# Allegro board gps_interface_boardv46ph.brd (continued)
## Nets (continued)
SFP_TD_P_SFP INTERFACE_SFP6: C255.2 J21.18 R226.2 R228.1
SPARE_BNC_CONN_0: IC2.2 P1.1 R109.1 TP79.1(TP)
SPARE_BNC_CONN_1: IC2.3 P1.3 R108.1 TP78.1(TP)
SPARE_LEMO_CONN_0: IC1.2 P1.5 R105.1 TP77.1(TP)
SPARE_LEMO_CONN_1: IC1.3 P1.7 R104.1 TP76.1(TP)
SPARE_RJ45_CM: C127.1 C128.1 C129.1 J17.P1 R116.1 R117.1 TP27.1(TP)
SQUELCH: R2687.1 U104.27
SS_2V5: C85.1 C2710.1 U12.13 U101.13
SS_3V3_1: C65.1 U9.13
SS_3V3_2: C76.1 U11.13
SS_5V: C57.1 U7.13
SYNC_OUT_N: R16.1 U3.6
SYNC_OUT_P: R15.1 U3.7
TEMP_ADDR: R253.1 U46.5 U46.6 U46.7
THRADJ: C2733.2 R2686.2 U104.9
VP2V5: R58.1 R2667.1 R2668.2 TP763.1(TP) U13.11
VP3V3: R52.2 R53.1 R54.1 U10.11
VP3V5: C49.1 C50.1 C51.1 C60.1 C61.1 C70.1 C71.1 C77.1 C78.1 C2650.1 C2660.1 L6.2 R41.1 TP11.1(TP) U6.1 U9.14 U9.15 U9.16 U9.17 U11.14 U11.15 U11.16 U11.17 U12.14 U12.15 U12.16 U12.17 U101.14 U101.15 U101.16 U101.17
VP5V: C54.1 C55.1 C56.1 C58.2 R45.1 R46.1 R2669.2 TP15.1(TP) U7.1 U7.19 U7.20 U8.11 U8.12(VDD)
VP5V5: C52.1 C53.1 C88.1 TP760.1(TP) U7.14 U7.15 U7.16 U7.17 U100.F3 U100.F4 U100.F5 U100.G3 U100.G4 U100.G5 U100.H3 U100.H4 U100.H5(VOUT_8)
VP12V: C40.1 C42.1 C43.1 C44.1 C87.1 FL1.2 TP9.1(TP) U6.4 U6.5 U6.6 U6.21 U6.22 U6.23(VIN6) U6.25 U100.A1 U100.A4 U100.A5 U100.B4 U100.B5
VREF: C2734.1 U104.3(VREF)
N00534: C1.1 R2.2 R4.1
N00638: C3.1 U1.4
N01450: C2732.1 U104.14
N01454: C2732.2 U104.15
N01590: R9.1 U1.7
N02604: C5.1 R10.2 R265.2 R266.1 U47.1
N02878: R10.1 U47.5
N89867: R21.2 U48.25
N89871: R20.2 U48.4
N89889: R22.2 U48.3
N89893: R19.2 U48.48
N89897: R19.1 R20.1 R21.1 R22.1
N90109: R26.2 U48.19
N90113: R25.2 U48.17
N90529: R23.2 U48.11
N91101: C36.1 U48.59
N91105: C37.1 U48.58
N107878: R24.2 U48.39
N127138: C1.2 U1.3
N140138: C2711.1 L6.1 U6.12 U6.13 U6.14 U6.15 U6.16
N146225: C62.1 C63.1 C64.1 R52.1 TP17.1(TP) U9.1 U9.2(SNS) U9.19 U9.20
N146320: R63.1 U9.6
N146332: R65.1 U9.11
N146446: R64.1 U9.10
N179430: C34.1 U48.51
N179442: C35.1 U48.50
N180853: C34.2 J100.3(SIG)
N180901: C35.2 J101.3(SIG)
N185241: C72.1 C73.1 C75.1 R54.2 U11.1 U11.2(SNS) U11.19 U11.20
N222361: D42.1(K) R2689.1 R2691.1
N222457: D43.2 R2689.2 U106.4(Y)
N222469: D43.1(CATHODE) R2690.1
N224400: J18.2 R166.2 U32.1 U53.16
N224404: J18.8 R167.2 U32.2 U53.15
N224432: J19.2 R187.2 U36.1 U53.20
N224436: J19.8 R188.2 U36.2 U53.19
N224464: J20.2 R208.2 U40.1 U52.7
N224468: J20.8 R209.2 U40.2 U52.6
N224492: J21.2 R229.2 U44.1 U52.11
N224496: J21.8 R230.2 U44.2 U52.10
N245271: D5.2 Q4.2(S)
N245311: D5.1(K) R51.1
N245859: D4.2 Q3.2(S)
N245899: D4.1(K) R44.1
N246142: D6.2 Q5.2(S)
N246182: D6.1(K) R57.1
N266416: J14.2 R145.2 U28.1 U53.11
N266420: J14.8 R146.2 U28.2 U53.10
N279924: C79.1 C80.1 C83.1 R2668.1 U12.1 U12.2(SNS) U12.19 U12.20
N280018: D7.2 Q6.2(S)
N280022: D7.1(K) R62.1
N304882: C17.1 U6.2
N322365: R70.1 U9.5
N322369: R112.1 U9.7
N322373: R113.1 U9.9
N323562: R114.1 U11.5
N323566: R115.1 U11.6
N323570: R118.1 U11.7
N323574: R255.1 U11.9
N323578: R256.1 U11.10
N323582: R257.1 U11.11
N325169: R259.1 U12.6
N325173: R260.1 U12.7
N325177: R261.1 U12.9
N325181: R262.1 U12.10
N325185: R263.1 U12.11
N325191: R258.1 U12.5
N339027: D2.2 Q1.2(S) R32.1
N339674: D1.1(CATHODE) R32.2 R33.1
N339693: D2.1(K) R34.1
N350589: J15.1 R110.1
N350593: J16.1 R111.1
N351209: J13.2 R124.2 U24.1 U53.7
N351234: J13.8 R125.2 U24.2 U53.6
N352210: J11.1 R106.1
N352214: J12.1 R107.1
N361011: J30.8 R2677.2 U53.4 U105.2
N361478: J30.2 R2676.2 U53.5 U105.1
N361490: U53.9 U104.16 U106.1
N361502: U53.8 U104.22 U106.2
N437368: J17.P6 J17.P7 J17.P8 J17.P9 R254.2
N437754: J17.P12 R43.2
N437768: J17.P13 R39.2
N575036: R93.1 U19.1
N575058: R94.1 U19.2
N575080: R95.1 U19.21
N576735: R81.1 U17.8
N576751: R82.1 U18.8
N635255: D8.2 Q7.2(S)
N635295: D8.1(K) R37.1
N637994: D15.2 Q12.2(S)
N638034: D15.1(CATHODE) R80.1
N638123: Q12.1 U15.4
N638285: R78.2 R79.1 U15.3
N638693: D14.2 Q11.2(S)
N638733: D14.1(K) R74.1
N665913: C123.2 R254.1
N716600: U107.2(VT) U107.3
N717829: C2748.1 U107.10
N717833: C2747.1 U107.9
N727253: C2749.1 C2750.1 L22.1 QZ1.1 QZ1.6(VDD)
N755053: C276.1 Y1.3
N755062: C277.1 Y1.2
N755111: C276.2 R1540.1 U48.8
N755152: C277.2 R1540.2 U48.9(XB)
N755804: R2670.1 Y1.6
N755834: R1550.2 Y1.5
N755912: L19.1 R1550.1 R2670.2 Y1.1(VDD)
N804236: R2640.1 U100.B1
N804492: R2650.1 U100.A2
N808323: C2670.1 C2680.1 C2690.1 R2667.2 U101.1 U101.2(SNS) U101.19 U101.20
N808573: R2661.1 U101.5
N808577: R2662.1 U101.6
N808581: R2663.1 U101.7
N808585: R2664.1 U101.9
N808589: R2665.1 U101.10
N808593: R2666.1 U101.11
N811210: C2711.2 U6.11
N812156: R2669.1 U7.2(SNS)

Pads without a net: J8 C8 C19 C22 C23 D29 D30 D31 D33 D35 G28 G33 G34 H1 H2; QZ1 2; U2 4 5 8; U3 4 5 8; U6 27 28 29; U7 5 6 7 9 10 11 12; U8 9; U9 12; U10 2 9; U11 12; U12 12; U13 9; U15 5; U17 6 9; U22 13 16; U26 13 16; U30 13 16; U34 13 16; U38 13 16; U42 13 16; U47 6; U48 5 7 10 20 21 53 54 55 56; U49 7; U52 4 5 8 9 19; U53 13 14 17 18; U101 12; U102 2 3 7

## Via types
v1: diameter 0.914, hole 0.406, TOP to BOTTOM, 1360 vias

## Routing (per net, layer and track width the routed paths; a pad name or vN(x,y) marks a point on that pad's centre or on a via; arc(x,y) is an arc through that point)
12V_FANS: length 19.8
  TOP w0.508: F2.2 15.11,2.95 15.11,3.58 17.2,5.66 17.2,6.81 J28.2
  BOTTOM w0.17: C3715.1 C3712.1 ; C3714.1 C3713.1
  BOTTOM w0.635: C3713.1 11.5,10.31 13.64,10.31 J28.2 ; J27.2 5.89,127.23 C3712.1
  vias: v1(6.45,42.44)
GND_POWER: length 615
  TOP w0.165: R2640.2 v1(6.12,15.37) ; 13.39,43.03 13.38,43.03 U6.9 ; v1(135.25,62.59) 135.19,62.65 R2688.2 ; U100.D3 v1(8.62,22.88) ; C2733.1 v1(132.77,74.32) ; 13.87,48.11 13.88,48.09 U6.17 ; U100.D5 v1(8.62,25.42) ; 12.88,48.16 12.88,48.15 U6.19 ; U11.8 44.22,87.17 ; C2745.2 v1(135.13,95.45) ; R26.1 v1(112.01,72.16) ; U6.24 10.38,46.52 v1(10.09,46.23) ; C2744.2 v1(140.97,87.55) ; U6.20 12.38,47.94 12.57,48.13 ; U7.8 12.83,72.24 ; C2743.2 v1(140.97,95.45) ; U9.8 v1(44.25,69.85) ; 10.21,42.65 10.38,42.82 U6.3 ; U107.7 135.73,91.27 v1(135.48,91.52) 135.73,91.77 U107.6 ; C2723.1 C2728.2 v1(142.95,66.57) ; U9.18 44.25,67.56 ; C2730.2 C2725.1 v1(130.05,68.33) ; C2734.2 v1(139.65,75.2) ; C2741.1 v1(133.63,95.45) ; v1(136.29,74.11) 135.79,73.61 U104.8 ; v1(136.29,74.11) U104.7 ; v1(136.29,74.11) 136.79,73.61 U104.6 ; 13.39,48.11 13.38,48.11 U6.18 ; U6.10 13.88,43.01 13.89,43 ; C2729.2 C2724.1 133.6,65.07 v1(132.99,64.47) ; U100.E4 v1(10.99,24.15) ; U6.8 12.88,42.63 12.88,42.62 ; U100.G2 v1(13.53,20.51) ; v1(103.38,75.31) 103.48,75.41 C15.1 ; v1(138.96,66.47) 138.96,66.78 138.79,66.95 U104.23 ; R23.1 v1(103.1,78.97) ; C14.1 v1(104.65,75.39) ; R2686.1 v1(133.73,74.02) ; U100.F1 v1(12.26,19.24) ; R44.2 v1(15.19,31.37) ; U100.D4 v1(8.62,24.15) ; U107.15 140.36,91.77 v1(140.61,91.52) 140.36,91.27 U107.14 ; U104.13 137.29,70.06 v1(137.54,70.31) 136.79,71.06 U104.11 ; U100.E3 v1(10.99,22.88) ; v1(110.49,72.19) R25.1 ; C2739.1 v1(142.49,95.45) ; R2650.2 v1(2.84,18.36) ; v1(146.91,74.73) C2726.1 C2722.1 C2731.2 C2727.2 ; U100.D2 v1(8.62,20.51) ; U100.C2 v1(7.35,20.51) ; C2742.1 v1(133.63,87.53) ; R2687.2 v1(145.06,69.14) ; U12.18 44.27,49.56 ; U100.E5 v1(10.99,25.42) ; C2740.1 v1(142.49,87.55) ; U7.18 12.83,67.49 ; U100.H1 v1(14.8,19.24) ; U100.G1 v1(13.53,19.24) ; U105.3 v1(120.74,121.93) ; R17.2 v1(20.67,127.8) ; U100.H2 v1(14.8,20.51) ; U100.F2 v1(12.26,20.51) ; U12.8 44.27,54.31 ; U100.D1 v1(8.62,19.24) ; 12.62,42.62 12.38,42.86 U6.7 ; 136.25,8.76 C100.2 ; U100.C1 v1(7.35,19.24) ; U100.E1 v1(10.99,19.24) ; R18.2 v1(12.87,127.6) ; U100.E2 v1(10.99,20.51) ; C2746.2 v1(135.13,87.55)
  TOP w0.17: U26.9 261.94,83.37 v1(262.18,83.13) ; v1(210.67,83.13) 210.43,83.37 U34.9 ; v1(284.53,88.72) 283.63,87.82 R128.1 ; U38.9 188.13,83.37 v1(188.37,83.13) ; R189.2 v1(214.05,80.14) ; R165.2 v1(243.26,87.27) ; R126.2 v1(287.63,80.04) ; R149.1 261.56,87.92 v1(262.46,88.82) ; U22.9 284.01,83.27 v1(284.25,83.03) ; 265.56,86.45 v1(265.56,87.27) ; v1(210.95,88.82) 210.05,87.92 R191.1 ; R233.1 165.62,87.92 v1(166.52,88.82) ; v1(239.88,83.13) 239.64,83.37 U30.9 ; R147.2 v1(265.56,80.14) ; v1(240.16,88.82) 239.26,87.92 R170.1 ; R168.2 v1(243.26,80.14) ; R123.2 v1(287.63,87.17) ; R207.2 v1(191.74,87.27) ; R231.2 v1(169.62,80.14) ; R210.2 v1(191.74,80.14) ; U42.9 166,83.37 v1(166.24,83.13) ; 94.46,95.96 v1(96.32,95.96) ; R228.2 v1(169.62,87.27) ; R212.1 187.74,87.92 v1(188.65,88.82) ; R186.2 v1(214.05,87.27)
  TOP w0.203: R250.2 v1(208.69,10.69) ; J21.9 163.65,118.95 v1(163.25,118.54) ; v1(213.13,114) 212.47,113.34 J19.17 ; J21.1 v1(170.81,120.28) ; U18.9 107.74,35.73 v1(108.18,36.17) ; v1(281.28,118.59) 281.68,119 J13.9 ; v1(164.88,114) 164.92,114 165.65,113.27 J21.14 ; J30.14 136.41,113.27 135.69,114 v1(135.65,114) ; R109.2 v1(287.82,15.86) ; v1(24.66,59.49) 25.03,59.85 U8.4 ; v1(77.19,-15.82) 77.69,-15.82 77.91,-16.05 R72.1 ; v1(236.91,118.54) 237.31,118.95 J18.9 ; v1(110.72,36.55) 111.33,35.94 U17.7 ; v1(211.96,12.5) 212.4,12.94 R248.2 ; v1(57.51,41.38) 56.97,41.91 U13.5 ; R79.2 v1(84.84,6.07) ; R108.2 v1(292.37,15.86) ; v1(134.01,118.54) 134.41,118.95 J30.9 ; U8.5 25.53,59.84 v1(25.9,59.47) ; J18.10 v1(235.76,120.28) ; J14.11 v1(258.42,112.08) ; U6.30 8.35,45.32 8.05,45.62 ; J14.20 v1(267.16,112.08) ; J20.17 190.17,113.34 v1(190.83,114) ; J18.20 v1(244.86,112.08) ; v1(264.67,114) 264.01,113.34 J14.17 ; v1(259.21,118.54) 259.61,118.95 J14.9 ; U19.12 90.74,106.74 v1(90.25,106.25) ; R268.2 v1(15.61,137.08) ; J14.1 v1(266.78,120.28) ; v1(15.46,85.04) U46.4 v1(13.64,86.61) ; J18.1 v1(244.47,120.28) ; v1(62.12,137.03) 62.63,136.52 U47.3 ; v1(286.74,114.05) 286.08,113.39 J13.17 ; R9.2 v1(75.18,132.6) ; J20.1 v1(192.94,120.28) ; 104.47,75.56 v1(104.65,75.39) ; J13.11 v1(280.49,112.13) ; R73.1 v1(77.34,-12.73) ; v1(282.92,114.05) 282.96,114.05 283.68,113.32 J13.14 ; C101.2 129.25,9.38 v1(130.18,10.3) ; v1(168.71,114) 168.05,113.34 J21.17 ; J30.10 v1(132.87,120.28) ; v1(238.54,114) 238.58,114 239.31,113.27 J18.14 ; v1(242.37,114) 241.71,113.34 J18.17 ; J19.14 210.07,113.27 209.35,114 v1(209.31,114) ; J20.14 187.77,113.27 187.05,114 v1(187.01,114) ; R1.2 v1(83.85,129.72) ; J14.10 v1(258.06,120.28) ; v1(137.79,10.3) 136.25,8.76 ; J18.11 v1(236.12,112.08) ; R249.2 v1(225.35,10.62) ; R104.2 v1(285.38,15.91) ; J30.1 v1(141.58,120.28) ; 289.48,106.26 290.19,106.26 v1(291.45,106.26) ; J30.17 138.81,113.34 v1(139.47,114) ; R105.2 v1(280.78,15.86) ; v1(78.59,135.33) 79.34,134.58 U1.5 ; U2.2 42.55,134.41 v1(42.91,134.77) ; J20.20 v1(193.32,112.08) ; J19.9 208.07,118.95 v1(207.67,118.54) ; R13.2 v1(46.05,127.52) ; U49.4 v1(83.91,-19.35) ; J30.11 v1(133.22,112.08) ; J21.10 v1(162.1,120.28) ; J21.11 v1(162.46,112.08) ; v1(260.85,114) 260.88,114 261.61,113.27 J14.14 ; v1(66.67,68.35) U10.5 U10.4 66.34,67.85 v1(66.7,67.49) ; J19.11 v1(206.88,112.08) ; J13.20 v1(289.23,112.13) ; J30.20 v1(141.96,112.08) ; R49.1 v1(22.61,59.26) ; U3.2 17.17,134.49 v1(17.48,134.8) ; U53.12 v1(221.82,19.89) ; R14.2 v1(38.2,127.55) ; R71.1 v1(77.47,-19.66) ; R264.2 v1(68.21,137.92) ; U15.2 v1(88.49,4.55) ; R267.2 v1(40.09,136.02) ; J20.10 v1(184.23,120.28) ; J13.10 v1(280.14,120.33) ; J20.9 185.77,118.95 v1(185.37,118.54) ; J19.10 v1(206.53,120.28) ; J19.20 v1(215.62,112.08) ; U13.4 v1(56.47,41.35) ; J13.1 v1(288.85,120.33) ; J20.11 v1(184.58,112.08) ; R253.2 v1(24.88,88.1) ; J19.1 v1(215.24,120.28) ; U52.12 v1(205.59,19.79) ; J21.20 v1(171.2,112.08)
  TOP w0.254: v1(141.38,71.37) 141.06,71.06 U104.30
  TOP w0.305: IC2.4 291.33,22.73 291.35,22.71 v1(291.85,22.71) ; R43.1 v1(233.04,9.86) ; v1(60.7,133.63) 61.44,134.37 U47.4 ; C106.2 v1(126.06,27.71) ; v1(125.22,18.97) 125.6,19.35 C105.2 ; v1(123.65,21.64) 124.33,22.33 C107.2 ; R39.1 v1(266.57,17.14) ; IC1.4 v1(285.34,22.76)
  TOP w0.33: C110.1 v1(102.06,27.08) ; C111.2 v1(116.92,27.43) ; C2749.2 v1(182.55,23.88) ; C109.1 v1(116.99,36.42) ; C2750.2 v1(182.55,25.53) ; QZ1.3 v1(180.37,23.09)
  BOTTOM w0.165: R259.2 v1(45.8,57.81) ; v1(3.47,48.32) 4.42,48.32 4.47,48.38 R36.2 ; C3715.2 C3712.2 ; R256.2 v1(42.7,90.98) ; R261.2 v1(43.76,57.78) ; R115.2 v1(45.75,90.98) ; C27.1 113.51,71.93 ; C29.2 129.09,74.07 129.11,74.09 v1(129.59,74.09) ; R263.2 v1(38.2,52.88) ; R255.2 v1(43.71,90.98) ; C129.2 v1(236.45,17.02) ; v1(119.74,87.55) 119.14,86.96 C23.1 ; C22.2 125.6,79.07 v1(125.43,79.07) ; v1(49.63,85.62) 49.53,85.72 R114.2 ; R258.2 v1(49.94,52.83) ; R117.2 v1(241.07,20.55) ; R65.2 v1(38.66,70.87) ; U24.3 v1(278.87,81.56) ; C127.2 v1(238.1,17.02) ; C25.1 117.02,71.93 ; C3714.2 C3713.2 ; U36.3 v1(205.28,81.66) ; R63.2 v1(45.75,75.41) ; R257.2 v1(38.61,85.7) ; R70.2 v1(49.76,70.84) ; R64.2 v1(42.75,75.39) ; R262.2 v1(42.75,57.81) ; C19.1 118.52,71.93 ; C128.2 v1(239.67,17.02) ; R112.2 v1(44.75,75.41) ; U32.3 v1(234.49,81.66) ; R260.2 v1(44.78,57.81) ; U40.3 v1(182.98,81.66) ; R113.2 v1(43.76,75.39) ; C136.1 v1(287.38,116.03) ; R118.2 v1(44.73,90.96)
  BOTTOM w0.203: C229.1 v1(197.16,105.23) ; C137.1 293.05,104.64 v1(292.56,105.13) ; C2717.1 129.68,104.08 v1(130.48,104.88) ; 255.78,80.29 255.78,80.8 255.79,80.81 U28.3 ; U44.3 159.85,80.81 159.84,80.8 159.84,80.29 ; v1(248.11,105.11) 248.68,104.54 C183.1 ; R238.2 v1(162.41,76.33) ; R74.2 v1(86.01,18.03) ; R62.2 v1(56.88,61.76) ; v1(218.29,98.5) 218.29,99.16 218.23,99.22 218.23,100.26 C201.2 ; 208.38,116.94 v1(208.38,115.82) ; R133.2 v1(276.28,74.98) ; R174.2 v1(232.04,106.79) ; C58.1 v1(28.04,64.85) ; 213.87,116.97 v1(213.87,115.82) ; R153.2 v1(254.34,106.74) ; C84.1 v1(59.69,45.9) ; C225.2 195.43,99.7 v1(195.78,99.34) ; R4.2 v1(83.87,137.59) ; 259.92,116.94 v1(259.92,115.82) ; C248.2 173.3,99.62 v1(173.61,99.31) ; v1(181.58,105.05) 181.04,104.51 C226.1 ; C17.2 v1(10.03,37.31) ; C203.1 v1(203.34,104.93) ; C74.2 v1(66.29,64.92) ; C160.1 v1(270.98,105.23) ; v1(54.79,41.07) 54.05,41.81 C86.2 ; R132.2 v1(276.41,106.64) ; C178.2 v1(234.37,99.19) ; C206.1 v1(219.47,105.21) ; 237.62,116.94 v1(237.62,115.82) ; C157.1 v1(254.85,104.95) ; v1(144.37,99.31) 144.07,99.62 C2713.2 ; C180.1 v1(232.55,104.98) ; C2714.1 v1(134.72,115.82) ; v1(21.06,59.31) 21.06,59.92 21.84,60.7 C59.2 ; C132.2 291.31,100.08 v1(292.02,99.36) ; R80.2 92,15.58 v1(92,14.99) ; C247.2 v1(160.73,99.19) ; R94.2 v1(87.71,113.72) ; C271.1 v1(201.88,15.62) ; C3.2 v1(78.85,138.51) ; C2718.1 v1(140.21,115.82) ; 281.99,116.99 v1(281.99,115.87) ; C2712.2 v1(131.5,99.19) ; R34.2 v1(100.7,70.38) ; R237.2 v1(158.38,106.74) ; C270.1 v1(218.14,15.37) ; 270.88,107.9 v1(270.88,106.74) ; 191.57,116.97 v1(191.57,115.82) ; C133.2 v1(278.74,99.29) ; v1(247.75,25.91) 247,26.66 247,27.32 246.66,27.66 U5.2 ; R217.2 v1(184.53,76.33) ; v1(277.44,104.93) 276.93,104.41 C134.1 ; 292.95,107.9 292.95,107.17 v1(293.37,106.76) ; R110.2 v1(301.42,17.55) ; R154.2 v1(254.2,75.08) ; v1(56.54,64.39) 57.05,64.9 C69.1 ; C179.2 246.94,99.62 v1(247.29,99.26) ; C251.1 v1(169.44,115.82) ; R95.2 103.89,111.91 v1(104.17,112.19) ; R33.2 v1(100.7,66.04) ; C119.2 v1(285.52,27.28) ; C250.1 v1(163.96,115.82) ; C155.2 v1(256.67,99.19) ; C123.1 v1(262.83,20.08) ; 174.89,107.9 v1(174.89,106.77) ; C224.2 v1(182.86,99.19) ; C113.2 v1(99.28,116.37) ; 243.1,116.97 v1(243.1,115.82) ; R47.2 v1(13.41,75.16) ; R216.2 v1(180.5,106.69) ; C249.1 158.92,104.08 v1(159.72,104.88) ; C202.2 v1(205.16,99.19) ; 265.41,116.97 v1(265.41,115.82) ; R2690.2 v1(129.15,106.74) ; 291.45,107.9 v1(291.45,106.26) ; 186.08,116.94 v1(186.08,115.82) ; R93.2 v1(87.71,116.48) ; C115.2 v1(292.4,27.2) ; C272.1 v1(18.08,91.87) ; C2719.1 v1(145.81,105.28) ; R195.2 v1(202.81,106.77) ; C156.2 v1(269.24,99.06) ; C252.1 v1(175.04,105.28)
  BOTTOM w0.305: R37.2 v1(101.31,100.13) ; C116.2 v1(278.26,15.9) ; C8.2 v1(84.81,132.15) ; R51.2 v1(26.95,78.51) ; C117.2 279.95,14.12 279.43,14.65 v1(279.43,15.44) ; C98.2 116.51,17.37 v1(115.93,16.79) ; C102.2 86.39,-11.81 v1(85.57,-11) ; R57.2 v1(58.34,93.45) ; v1(85.62,-19.99) 86.23,-19.38 C103.2 ; C97.2 v1(128.4,20.65) ; 289.25,21.34 v1(287.48,21.34) ; C9.2 v1(89.41,133.32) ; v1(115.62,21.62) 116.59,20.65 C99.2 ; 283.95,21.39 v1(285.32,21.39) ; C7.2 v1(88.8,132.11) ; C104.2 86.45,-15.95 v1(85.83,-16.57) ; C5.2 v1(60.11,134.24) ; C108.2 v1(85.51,-12.38) ; v1(61.44,129.49) 62.09,130.15 C6.2 ; C10.1 v1(36.05,136.57) ; C11.1 v1(20.43,137.13) ; C12.1 v1(35.06,133.71) ; C16.2 v1(93.22,65) ; R106.2 v1(271.17,17.45) ; C13.2 v1(96.57,70.41)
  BOTTOM w0.33: C184.2 C185.2 240.16,88.83 v1(240.16,88.82) ; 156.84,10.69 156.46,10.31 153.37,10.31 153.03,10.64 J8.G20 ; v1(166.52,88.82) 166.52,88.83 C254.2 C253.2 ; v1(210.95,88.82) 210.95,88.83 C208.2 C207.2 ; C161.2 C162.2 262.46,88.83 v1(262.46,88.82) ; C230.2 C231.2 188.64,88.83 v1(188.65,88.82) ; J8.D3 J8.D2 ; J8.H9 166.22,14.12 v1(166.22,15.11) ; J8.G5 J8.G4 ; v1(284.53,88.72) 284.53,88.72 C139.2 C138.2 ; J8.H12 162.41,14.12 v1(162.41,15.11)
  BOTTOM w0.381: v1(170.81,15.1) J8.H6 J8.G5 ; J8.D39 J8.C40 v1(126.94,6.29) ; v1(144.15,15.1) J8.H27 J8.G26 ; v1(142.88,5.22) J8.C28 J8.D28 v1(142.88,10.02) 142.21,10.68 142.21,11.46 J8.H30 v1(140.34,15.1) ; J8.D3 J8.C4 ; v1(160.66,10.3) J8.G14 159.38,13.34 v1(159.38,15.1) ; J8.D2 177.16,6.99 v1(177.16,5.22) ; v1(137.79,10.3) J8.G32 J8.H33 v1(136.53,15.1) ; J8.D19 J8.C20 v1(153.03,5.22) ; v1(158.12,10.02) J8.D16 J8.C16 v1(158.12,5.22) ; v1(146.69,10.02) J8.D25 J8.C25 v1(146.69,5.22) ; v1(151.76,5.22) 151.76,6.99 J8.D22 v1(150.5,10.02) ; J8.D34 J8.C34 v1(135.25,5.75) ; J8.G20 151.76,13.34 v1(151.76,15.1) ; J8.C17 v1(156.84,5.22) ; J8.C12 v1(163.19,5.22) ; 177.16,12.06 v1(177.16,10.69) ; v1(130.18,10.3) J8.G38 J8.H39 v1(128.91,15.1) ; 156.84,10.69 J8.G17 J8.H18 v1(155.57,15.1) ; v1(132.72,15.1) J8.H36 J8.G35 v1(133.99,10.3) ; 141.6,6.99 v1(141.6,5.22) ; v1(130.18,6.2) J8.C38 J8.D37 ; J8.D13 J8.C13 v1(161.93,5.22) ; J8.C24 v1(147.96,5.22) ; v1(147.96,15.1) J8.H24 J8.G23 ; J8.C33 v1(136.53,5.75) ; J8.H3 J8.G4 v1(173.35,10.3) ; 169.54,8.26 J8.D6 J8.C5 v1(172.09,5.22) ; J8.D10 J8.C9 v1(167,5.22) ; J8.G11 J8.H12 ; J8.C36 v1(132.72,6.07) ; J8.C32 v1(137.79,5.75) ; J8.G40 v1(126.71,12.06) ; J8.G8 J8.H9
  BOTTOM w0.635: C3713.2 11.71,7.77 13.64,7.77 J28.3 ; C3712.2 6,125.5 J27.3
  vias: v1(3.32,36.09) v1(3.55,55.42) v1(3.71,52.91) v1(3.66,51.56) v1(3.66,50.19) v1(3.71,39.7) v1(3.71,38.33) v1(3.76,41.05) v1(4.24,36.09) v1(4.47,55.42) v1(4.8,52.91) v1(4.78,51.59) v1(4.8,50.19) v1(4.83,39.73) v1(4.85,41.05) v1(4.85,38.33) v1(5.18,36.07) v1(5.33,73.43) v1(5.41,55.4) v1(5.94,52.91) v1(5.99,51.64) v1(5.99,50.19) v1(5.99,41.05) v1(6.05,39.78) v1(6.05,38.33) v1(6.25,73.43) v1(6.78,60.52) v1(7.19,73.41) v1(7.69,60.53) v1(8.15,36.11) v1(8.38,55.44) v1(8.63,60.5) v1(9.07,36.12) v1(9.29,55.45) v1(10.01,36.1) v1(10.09,44.91) v1(10.23,55.42) v1(11.61,60.55) v1(11.63,46.23) v1(11.63,44.91) v1(12.19,70.41) v1(12.19,69.14) v1(12.52,60.55) v1(12.83,69.77) v1(13,36.11) v1(13.23,55.44) v1(13.18,46.23) v1(13.18,44.91) v1(13.46,70.41) v1(13.46,69.14) v1(13.46,60.53) v1(13.92,36.12) v1(14.15,55.45) v1(14.86,36.1) v1(15.09,55.42) v1(16.46,60.55) v1(17.37,60.55) v1(18.06,73.43) v1(18.31,60.53) v1(18.31,56.11) v1(18.26,54.76) v1(18.26,53.39) v1(18.44,37.77) v1(18.39,36.42) v1(18.39,35.05) v1(18.97,73.43) v1(19.41,56.11) v1(19.38,54.79) v1(19.41,53.39) v1(19.53,37.77) v1(19.51,36.45) v1(19.53,35.05) v1(19.91,73.41) v1(20.55,56.11) v1(20.6,54.84) v1(20.6,53.39) v1(20.68,37.77) v1(20.73,36.5) v1(20.73,35.05) v1(20.73,31.45) v1(20.68,30.1) v1(20.68,28.73) v1(21.82,31.45) v1(21.79,30.12) v1(21.82,28.73) v1(22.96,31.45) v1(23.01,30.18) v1(23.01,28.73) v1(24.21,31.47) v1(24.16,30.12) v1(24.16,28.75) v1(25.1,62.51) v1(25.07,61.67) v1(25.3,31.47) v1(25.27,30.15) v1(25.3,28.75) v1(25.98,62.51) v1(25.96,61.67) v1(26.44,31.47) v1(26.49,30.2) v1(26.49,28.75) v1(36.75,88.36) v1(36.83,55.42) v1(37.67,88.37) v1(37.74,55.42) v1(38.15,60.6) v1(38.35,75.03) v1(38.61,88.34) v1(38.68,55.4) v1(39.06,60.6) v1(39.27,75.03) v1(40,60.58) v1(40.21,75.01) v1(42.97,60.62) v1(43.59,85.34) v1(43.59,84.07) v1(43.61,70.48) v1(43.61,69.22) v1(43.64,52.48) v1(43.64,51.21) v1(43.89,60.63) v1(44.22,84.71) v1(44.27,51.84) v1(44.83,60.61) v1(44.86,85.34) v1(44.86,84.07) v1(44.88,70.48) v1(44.88,69.22) v1(44.91,52.48) v1(44.91,51.21) v1(47.83,60.62) v1(48.03,75.05) v1(48.74,60.63) v1(48.94,75.06) v1(49.48,88.36) v1(49.68,60.61) v1(49.71,55.49) v1(49.88,75.03) v1(50.39,88.37) v1(50.62,55.5) v1(51.33,88.34) v1(51.56,55.48) v1(56.97,44.15) v1(57.28,84.63) v1(57.51,66.85) v1(58.42,84.63) v1(58.65,66.85) v1(59.61,84.63) v1(59.84,66.85) v1(63.58,68.78) v1(63.55,67.94) v1(64.44,67.94) v1(64.47,68.78) v1(78.94,132.99) v1(78.94,132.16) v1(80.11,132.99) v1(80.09,132.16) v1(81.23,132.16) v1(81.25,132.99) v1(97.96,90.35) v1(99.8,42.98) v1(102.67,42.55) v1(104.98,42.01) v1(105.59,40.82) v1(108.13,38.25) v1(108.92,96.04) v1(111.73,37.72) v1(112.85,81.58) v1(112.88,80.44) v1(112.85,79.3) v1(112.88,78.16) v1(114.1,81.61) v1(114.12,80.47) v1(114.1,79.32) v1(114.12,78.18) v1(114.33,39.5) v1(115.03,101.19) v1(115.03,98.24) v1(115.32,81.61) v1(115.34,80.47) v1(115.32,79.32) v1(115.34,78.18) v1(116.64,81.61) v1(116.64,79.32) v1(116.66,80.47) v1(116.66,78.18) v1(120.58,101.19) v1(120.58,98.24) v1(136.32,86.06) v1(138.05,91.52) v1(138.76,86.06) v1(163.86,84.12) v1(185.98,84.12) v1(200.81,21.56) v1(208.28,84.12) v1(219,17.17) v1(231.04,18.85) v1(233.78,20.83) v1(237.49,84.12) v1(259.79,84.12) v1(281.86,84.02) v1(287.3,35.18) v1(292.91,35.23)
VCC2V5: length 74.1
  TOP w0.17: R203.1 v1(189.66,87.07) ; R172.1 v1(234.71,88.52) ; R130.1 v1(279.08,88.42) ; R204.1 v1(189.66,80.7) ; R120.1 v1(285.55,80.59) ; R151.1 v1(257.01,88.52) ; R224.1 v1(167.54,87.07) ; R235.1 v1(161.07,88.52) ; R161.1 v1(241.17,87.07) ; R141.1 v1(263.47,80.7) ; R140.1 v1(263.47,87.07) ; R182.1 v1(211.96,87.07) ; R193.1 v1(205.5,88.52) ; R162.1 v1(241.17,80.7) ; R214.1 v1(183.2,88.52) ; R183.1 v1(211.96,80.7) ; R225.1 v1(167.54,80.7) ; R119.1 v1(285.55,86.97)
  TOP w0.203: v1(188.44,85.88) 188.44,85.32 188.01,84.89 187.8,84.89 187.79,84.87 U38.12 ; U13.10 57.47,47.62 57.48,47.62 ; v1(210.74,85.88) 210.74,85.32 210.31,84.89 210.1,84.89 210.09,84.87 U34.12 ; v1(280.91,26.84) 280.91,26.36 281.41,25.86 IC1.8 ; v1(166.32,85.88) 166.32,85.32 165.89,84.89 165.68,84.89 165.67,84.87 U42.12 ; v1(239.95,85.88) 239.95,85.32 239.52,84.89 239.31,84.89 239.3,84.87 U30.12 ; U22.12 283.68,84.77 283.69,84.79 283.9,84.79 284.33,85.22 v1(284.33,85.78) ; IC2.8 288.87,25.83 v1(287.83,26.87) ; U26.12 261.6,84.87 261.62,84.89 261.82,84.89 262.25,85.32 v1(262.25,85.88)
  TOP w0.305: v1(64.38,128.37) 63.63,129.11 U47.8
  TOP w0.33: U17.14 115.23,27.44 C111.1 v1(115.22,26.64) ; U18.2 103.84,27.09 C110.2 103.83,26.36 v1(103.56,26.09)
  BOTTOM w0.17: R116.2 234.23,19.81 v1(233.48,19.81)
  BOTTOM w0.203: C119.1 281.36,27.28 v1(280.91,26.84) ; v1(287.83,26.87) 288.16,27.2 C115.1 ; v1(284.33,85.78) 284.33,86.17 283.5,86.99 C139.1 C138.1 ; C207.1 C208.1 209.92,87.1 210.74,86.27 v1(210.74,85.88) ; v1(239.95,85.88) 239.95,86.27 239.13,87.1 C185.1 C184.1 ; C253.1 C254.1 165.5,87.1 166.32,86.27 v1(166.32,85.88) ; v1(188.44,85.88) 188.44,86.27 187.62,87.1 C231.1 C230.1 ; v1(262.25,85.88) 262.25,86.27 261.43,87.1 C162.1 C161.1 ; R82.2 v1(106.84,31.07) ; U5.5 247.37,27.66 247.09,27.94 247.09,28.93 v1(247.62,29.46)
  BOTTOM w0.305: C6.1 63.82,128.92 v1(64.38,128.37)
  vias: v1(53.9,50.14) v1(53.9,48.74) v1(54.99,50.11) v1(54.99,48.74) v1(56.11,50.14) v1(56.13,48.74) v1(57.33,50.14) v1(57.33,48.74) v1(60.76,50.14) v1(60.76,48.74) v1(61.8,48.74) v1(61.93,50.14) v1(62.94,48.74) v1(63.07,50.14) v1(64.11,48.72) v1(64.24,50.14) v1(158.24,92.58) v1(158.24,91.49)
VCC3V3: length 438.5
  TOP w0.165: 140.46,72.76 141.08,72.76 ; 140.46,72.76 U104.1 ; 140.46,72.76 139.66,73.56 139.17,73.56 138.79,73.18 U104.2 ; 141.08,72.76 140.74,72.41 ; 141.08,72.76 C2727.1 C2731.1 C2722.2 C2726.2 v1(146.97,73) ; v1(132.59,90.25) C2742.2 135.1,90.25 C2746.1 135.54,90.27 136.03,90.77 U107.8 ; R163.1 v1(245.52,86.45) ; U107.13 140.15,90.77 140.64,90.27 C2744.1 C2740.2 v1(143.54,90.27) ; R205.1 192.81,87.02 v1(193.12,87.33) ; U104.18 136.29,66.97 C2729.1 C2724.2 v1(135.89,64.74) ; R143.1 v1(267.82,81.16) ; U107.5 136.08,92.27 135.61,92.73 C2745.1 C2741.2 v1(132.59,92.73) ; R184.1 v1(216.31,86.45) ; 140.74,72.41 140.74,71.78 140.52,71.56 U104.31 ; 140.74,72.41 140.38,72.06 U104.32 ; R164.1 v1(245.52,81.16) ; R121.1 v1(289.9,86.35) ; R227.1 v1(171.89,81.16) ; v1(130.05,72.19) C2725.2 C2730.1 131.65,71.05 133.96,71.05 ; U107.16 139.99,92.27 140.46,92.73 C2743.1 C2739.2 v1(143.54,92.73) ; R185.1 v1(216.31,81.16) ; 133.96,71.05 134.47,71.56 U104.10 ; 133.96,71.05 133.98,71.05 134.47,70.56 U104.12 ; R122.1 v1(289.9,81.06) ; v1(140.18,64.46) C2723.2 C2728.1 139.29,67.46 U104.24 ; R142.1 v1(267.77,86.43) ; U105.5 v1(125.23,123.84) ; R226.1 v1(171.89,86.45) ; R206.1 v1(192.81,80.24)
  TOP w0.203: U10.10 62.61,73.03 v1(61.26,74.37) ; D16.2 v1(279.04,77.44) ; v1(101.35,114.56) 101.02,114.56 100.35,113.89 U19.24 ; R247.2 v1(195.12,12.94) ; v1(22.45,91.03) 21.84,90.42 U46.8 ; D32.2 v1(187.3,78.79) ; Q12.3 v1(88.01,8.73) ; v1(103.71,36.42) 103.84,36.3 103.84,35.43 U18.15 ; D28.2 v1(209.6,78.79) ; Q11.3 v1(82.98,8.71) ; v1(77.47,-20.6) 77.93,-21.06 R75.2 ; D36.2 v1(165.18,78.79) ; D20.2 v1(256.97,77.55) ; R77.2 78.12,-14.15 77.74,-14.53 v1(77.24,-14.53) ; R76.2 v1(77.44,-17.48)
  TOP w0.305: v1(293.83,105.26) 293.83,104.67 293.52,104.37 L8.1 293.52,99.92 v1(293.95,99.49) ; v1(157.02,101.93) L17.1 v1(158.42,98.91) ; Q10.3 v1(232.05,5.51) ; v1(129.18,98.91) L20.1 v1(127.71,101.93) ; v1(221.39,102.08) L14.1 219.94,99.95 v1(220.42,99.47) ; v1(146.84,99.49) 146.28,100.05 L21.1 146.28,104.52 v1(146.91,105.16) ; IC2.1 289.34,23.32 289.6,23.57 292.2,23.57 292.68,23.09 292.68,21.49 v1(292.56,21.36) ; v1(272.14,99.54) 271.45,100.23 L10.1 271.45,104.19 v1(272.21,104.95) ; U52.24 198.63,11.82 v1(198.17,11.35) ; v1(176.71,102.08) L18.1 175.51,100.05 v1(176.07,99.49) ; v1(218.14,10.21) 216.61,10.21 215.92,10.9 U53.24 ; D1.2 v1(105.47,69.67) ; v1(280.67,21.49) 280.67,22.3 281.13,22.76 IC1.1 ; v1(276.25,99.34) 276.25,99.89 276.43,100.06 L7.1 276.43,104.58 276.33,104.68 v1(276.33,105.51) ; v1(3.61,34.21) 47.41,34.21 47.42,34.2 v1(47.97,34.2) ; v1(253.62,104.93) 254.36,104.19 L9.1 254.36,99.69 v1(254.08,99.42) ; v1(201.6,101.93) L13.1 v1(202.84,98.78) ; v1(249.73,105.08) 249.15,104.5 L12.1 249.15,100.03 v1(249.73,99.44) ; v1(266.9,13.18) 266.52,13.56 Q14.3 ; U49.8 87.91,-14.02 v1(87.76,-13.87) ; v1(198.4,105.18) 197.64,104.42 L16.1 197.64,100.08 v1(198.25,99.47) ; v1(179.17,101.93) L15.1 180.54,99.36 v1(181,98.91) ; v1(231.44,104.62) 232.05,104.01 L11.1 v1(232.05,98.7) ; R266.2 v1(69.28,133.43)
  TOP w0.33: U17.1 115.22,34.71 C109.2 v1(115.22,37.24) ; L22.2 v1(185.42,30.51)
  BOTTOM w0.165: R102.2 R103.2 ; R145.1 264.9,123.92 v1(264.57,124.26) ; R100.2 R98.2
  BOTTOM w0.203: 104.07,33.22 103.84,33.46 103.84,36.3 v1(103.71,36.42) ; R103.2 107.07,108.01 v1(106.83,107.77) ; v1(211.54,123.92) R190.1 R192.1 R188.1 v1(207.68,123.92) ; R98.2 v1(110.31,110.16) ; R90.1 v1(78.08,122.91) ; R81.2 v1(112.24,31.48) ; C178.1 v1(232.64,99.29) ; C224.1 181.13,99.85 v1(181.76,99.21) ; U44.5 157.95,78.04 v1(158.57,77.42) ; v1(189.24,123.92) R211.1 R213.1 R209.1 v1(185.38,123.92) ; R83.1 v1(88.72,123.24) ; v1(277.42,99.26) 277.01,99.67 C133.1 ; R88.1 v1(76.53,122.91) ; R229.1 v1(168.18,123.92) ; v1(134.02,123.92) R2677.1 R2681.1 R2679.1 v1(137.88,123.92) ; C132.1 v1(293.04,99.37) ; v1(242.27,124.16) 242.52,124.16 242.75,123.92 R166.1 ; U24.5 275.96,77.94 v1(276.58,77.32) ; 283.29,123.92 282.35,123.92 ; 283.29,123.92 R129.1 ; 283.29,123.92 284.2,123.92 R127.1 284.54,124.26 v1(284.91,124.26) ; 282.35,123.92 v1(281.29,123.92) ; 282.35,123.92 R125.1 ; C272.2 21.62,91.87 v1(22.45,91.03) ; v1(167.11,123.92) R232.1 R234.1 R230.1 v1(163.25,123.92) ; C155.1 v1(254.94,99.29) ; v1(262.84,124.26) 262.47,124.26 R148.1 R150.1 R146.1 v1(259.21,123.92) ; C2713.1 v1(145.8,99.11) ; C248.1 v1(175.03,99.11) ; C113.1 100.91,115.01 v1(101.35,114.56) ; R208.1 v1(190.3,123.92) ; R85.1 v1(87.25,123.24) ; C247.1 v1(159,99.29) ; v1(203,77.42) 202.37,78.04 U36.5 ; C225.1 v1(197.16,99.11) ; v1(206.4,5.54) 205.82,6.12 R252.2 ; v1(236.91,123.92) R167.1 R171.1 R169.1 240.21,124.3 240.49,124.3 v1(240.56,124.23) ; R96.2 v1(110.26,108.41) ; R91.1 v1(116,118.9) ; v1(130.3,77.37) 129.46,78.21 C22.1 128.2,77.42 128.43,77.19 L5.1 v1(130.1,76.12) ; C202.1 v1(203.43,99.29) ; v1(180.7,77.42) 180.07,78.04 U40.5 ; C156.1 v1(270.97,99.11) ; C2712.1 v1(129.77,99.29) ; R187.1 v1(212.61,123.92) ; v1(286.54,124.23) 286.85,123.92 R124.1 ; R92.1 v1(124.08,118.9) ; R245.2 v1(219.38,5.49) ; R86.1 v1(75.03,122.91) ; R2676.1 v1(138.95,123.92) ; v1(248.36,99.34) 248.67,99.65 C179.1 ; R84.1 v1(73.51,122.91) ; R101.2 v1(126.47,111.56) ; Q7.3 v1(94.91,97.71) ; v1(254.51,77.42) 253.89,78.04 U28.5 ; R97.2 v1(126.47,107.92) ; v1(232.21,77.42) 231.58,78.04 U32.5 ; R99.2 v1(126.47,109.75) ; R38.2 v1(95.72,102.11) ; R251.2 v1(221.16,5.51) ; R87.1 v1(85.8,123.24) ; R89.1 v1(84.33,123.24) ; C201.1 v1(219.46,99.11) ; R246.2 v1(207.47,5.69)
  BOTTOM w0.305: C7.1 v1(88.8,127.61) ; L1.1 v1(86.21,127.1) ; C117.1 P1.9 ; Q3.3 4.12,29.69 3.61,30.2 3.61,33.15 ; 290.98,21.34 291.01,21.36 v1(292.56,21.36) 293.5,22.3 293.5,27.81 300.13,27.81 301.4,26.54 R111.2 ; R40.2 3.61,33.15 ; 3.61,33.15 v1(3.61,34.21) ; C270.2 v1(218.14,10.21) ; v1(198.17,11.35) 198.8,11.99 C271.2 ; v1(93.17,69.27) C13.1 94.84,68.42 94.55,68.14 L3.1 v1(92.81,67.11) ; Q6.3 v1(59.36,56.52) ; R56.2 v1(58.17,86.82) ; v1(87.76,-13.87) C108.1 ; R107.2 270.59,25.27 269.93,24.6 269.93,22.78 271.22,21.49 v1(280.67,21.49) 281.15,21.49 281.25,21.39 282.22,21.39 ; Q1.3 v1(100.75,62.38) ; 27.74,75.18 27.74,72.72 26.95,71.93 R50.2 ; 27.74,75.18 v1(27.74,89.81) ; 27.74,75.18 Q4.3 ; R61.2 57.84,53.37 58.24,53.77 v1(58.88,53.77) ; Q5.3 v1(59.56,90.02)
  vias: v1(57.84,74.37) v1(58.93,75.74) v1(58.93,74.37) v1(58.98,77.09) v1(60.05,75.77) v1(60.07,77.09) v1(60.07,74.37) v1(61.21,77.09) v1(61.26,75.82)
